# Altium PCB EPS.PcbDoc (part 1 of 10) (continued)
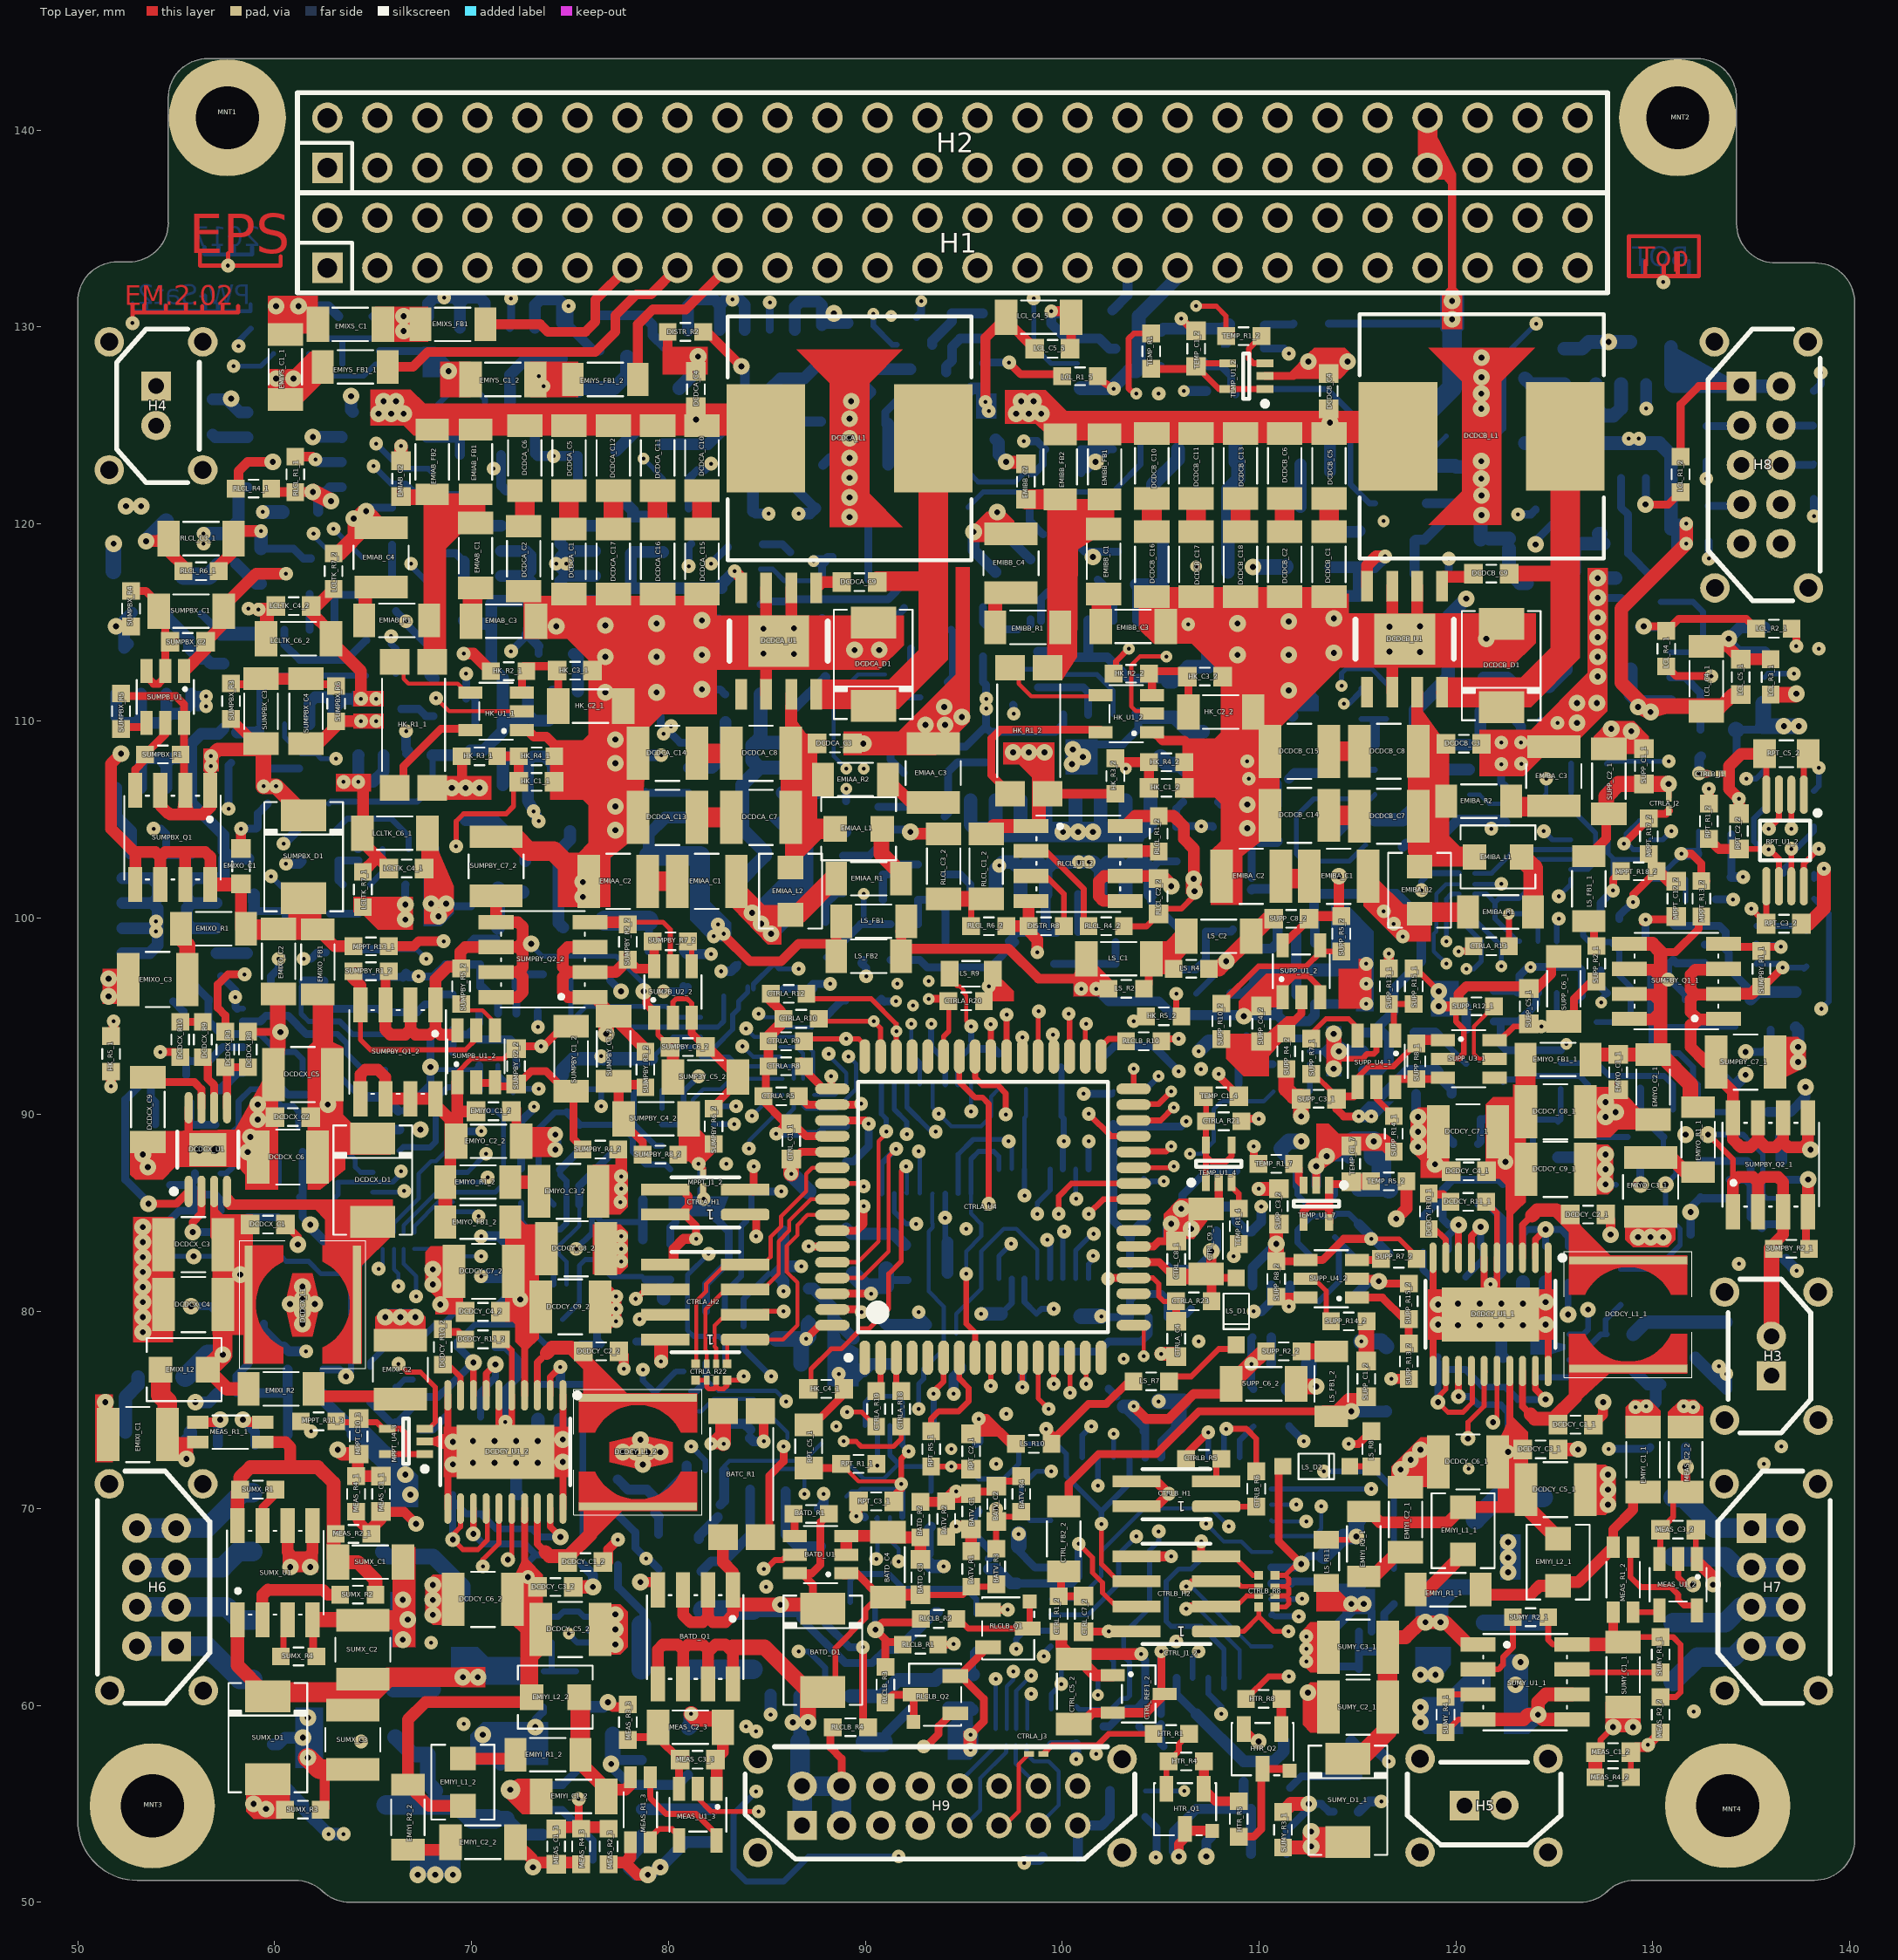
[diagram p0: Top Layer view]
## Design rules (kind name [scope] priority, off if disabled: settings) (continued)
24 further rules are at their usual default settings.

## Classes and differential pairs
channel class EPS_MPPT_Y_OR_Solar: "MPPT Y+1_MPPTY Solar Panels ORing1" "MPPT Y-2_MPPTY Solar Panels ORing2"
channel class EPS_MPPT_Y_OR_MPB: "MPPT Y+1_MPPTY ORing to MPB1" "MPPT Y-2_MPPTY ORing to MPB2"
channel class EPS_MPPT_Y_EMI-Filter_Solar-Panels: "MPPT Y+1_MPPTY EMI Filters for Solar Panels1" "MPPT Y-2_MPPTY EMI Filters for Solar Panels2"
channel class EPS_MPPT_Y_EMI-Filter_Out: "MPPT Y+1_MPPTY Output EMI Filter1" "MPPT Y-2_MPPTY Output EMI Filter2"
channel class EPS_MPPT_Y_EMI-Filter_In: "MPPT Y+1_MPPTY Input EMI Filter1" "MPPT Y-2_MPPTY Input EMI Filter2"
channel class EPS_MPPT_Y_Buck-Boost-Converter: "MPPT Y+1_MPPTY Buck-Boost Converter1" "MPPT Y-2_MPPTY Buck-Boost Converter2"
channel class EPS_MPPT_Y: "MPPT Y+" "MPPT Y-"
channel class EPS_MPPT_XY_Measurements: "MPPT Y+1_MPPTY Measurements2" "MPPT Y-2_MPPTY Measurements3" "MPPTX Measurements"
channel class EPS_MPPT_XY_Interface: "MPPT Y+1_MPPTY Interface to uC2" "MPPT Y-2_MPPTY Interface to uC3" "MPPTX Interface to uC"
channel class EPS_Local-Supply_Channel: "Local-Supply CTRL-A" "Local-Supply CTRL-B"
channel class EPS_I2C-Repeater: "I2C Repeater1" "I2C Repeater2"
channel class EPS_Distribution_RLCL-FPF: "RLCL-FPF 3V3" "RLCL-FPF 5V" "RLCL-FPF VBAT"
channel class EPS_Distribution_Measurements: "3V3 Measurements" "5V Measurements" "VBAT Measurements"
channel class EPS_Distribution_LCL-TK: "LCL-TK MAIN" "LCL-TK Redundant"
channel class EPS_Distribution_LCL-FPF: "LCL-FPF ANTs 5V2" "LCL-FPF CAMnadir 3V3" "LCL-FPF CAMwing 3V3" "LCL-FPF SENS 5V" "LCL-FPF SunS 3V3"
channel class EPS_DCDC_RLCL-FPF: "DCDC RLCL" "RLCL-FPF N1" "RLCL-FPF N2" "VBAT RLCL"
component class "VBAT Measurements": HK_C1_3 HK_C2_3 HK_C3_3 HK_C4_3 HK_R1_3 HK_R2_3 HK_R3_3 HK_R4_3 HK_R5_3 HK_U1_3
component class "VBAT EMI Filter R": EMIVBAT_C1 EMIVBAT_C2 EMIVBAT_C3 EMIVBAT_C4 EMIVBAT_C5 EMIVBAT_FB1 EMIVBAT_FB2 EMIVBAT_R1
component class "DCDC RLCL": DRLCL_C1_1 DRLCL_C2_1 DRLCL_C3_1 DRLCL_C4_1 DRLCL_C5_1 DRLCL_R2_1 DRLCL_R3_1 DRLCL_R4_1 DRLCL_R5_1 DRLCL_R6_1 DRLCL_U1_1
component class "VBAT RLCL": DRLCL_C1_2 DRLCL_C2_2 DRLCL_C3_2 DRLCL_C4_2 DRLCL_C5_2 DRLCL_R2_2 DRLCL_R3_2 DRLCL_R4_2 DRLCL_R5_2 DRLCL_R6_2 DRLCL_U1_2
component class "RLCL-FPF 5V": RLCL_C1_2 RLCL_C2_2 RLCL_C3_2 RLCL_R1_2 RLCL_R4_2 RLCL_R6_2 RLCL_U1_2
component class "RLCL-FPF 3V3": RLCL_C1_1 RLCL_C2_1 RLCL_C3_1 RLCL_R1_1 RLCL_R4_1 RLCL_R6_1 RLCL_U1_1
component class "RBL & Inrush Limit": RBL_C1 RBL_C2 RBL_C3 RBL_C4 RBL_Q1 RBL_Q2 RBL_Q3 RBL_Q4 RBL_R1 RBL_R2 RBL_R3 RBL_R4 RBL_R5 RBL_R6 RBL_R7 RBL_R8 RBL_R9 RBL_R10
component class "MPPT Y-2_MPPTY Solar Panels ORing2": SUMY_C1_2 SUMY_C2_2 SUMY_C3_2 SUMY_D1_2 SUMY_R1_2 SUMY_R2_2 SUMY_R3_2 SUMY_R4_2 SUMY_U1_2
component class "MPPT Y+1_MPPTY Solar Panels ORing1": SUMY_C1_1 SUMY_C2_1 SUMY_C3_1 SUMY_D1_1 SUMY_R1_1 SUMY_R2_1 SUMY_R3_1 SUMY_R4_1 SUMY_U1_1
component class "MPPT Y-2_MPPTY Output EMI Filter2": EMIYO_C1_2 EMIYO_C2_2 EMIYO_C3_2 EMIYO_FB1_2 EMIYO_R1_2
component class "MPPT Y+1_MPPTY Output EMI Filter1": EMIYO_C1_1 EMIYO_C2_1 EMIYO_C3_1 EMIYO_FB1_1 EMIYO_R1_1
component class "MPPT Y-2_MPPTY ORing to MPB2": SUMPB_U1_2 SUMPB_U2_2 SUMPBY_C1_2 SUMPBY_C2_2 SUMPBY_C3_2 SUMPBY_C4_2 SUMPBY_C5_2 SUMPBY_C6_2 SUMPBY_C7_2 SUMPBY_Q1_2 SUMPBY_Q2_2 SUMPBY_R1_2 SUMPBY_R2_2 SUMPBY_R3_2 SUMPBY_R4_2 SUMPBY_R5_2 SUMPBY_R6_2 SUMPBY_R7_2 SUMPBY_R8_2
component class "MPPT Y+1_MPPTY ORing to MPB1": SUMPB_U1_1 SUMPB_U2_1 SUMPBY_C1_1 SUMPBY_C2_1 SUMPBY_C3_1 SUMPBY_C4_1 SUMPBY_C5_1 SUMPBY_C6_1 SUMPBY_C7_1 SUMPBY_Q1_1 SUMPBY_Q2_1 SUMPBY_R1_1 SUMPBY_R2_1 SUMPBY_R3_1 SUMPBY_R4_1 SUMPBY_R5_1 SUMPBY_R6_1 SUMPBY_R7_1 SUMPBY_R8_1
component class "MPPT Y-2_MPPTY Measurements3": MEAS_C1_3 MEAS_C2_3 MEAS_C3_3 MEAS_R1_3 MEAS_R2_3 MEAS_R3_3 MEAS_R4_3 MEAS_U1_3
component class "MPPT Y+1_MPPTY Measurements2": MEAS_C1_2 MEAS_C2_2 MEAS_C3_2 MEAS_R1_2 MEAS_R2_2 MEAS_R3_2 MEAS_R4_2 MEAS_U1_2
component class "MPPT Y-2_MPPTY Interface to uC3": MPPT_C1_3 MPPT_C2_3 MPPT_C3_3 MPPT_C4_3 MPPT_C5_3 MPPT_C6_3 MPPT_C7_3 MPPT_C8_3 MPPT_C9_3 MPPT_C10_3 MPPT_C11_3 MPPT_C12_3 MPPT_J1_3 MPPT_R1_3 MPPT_R2_3 MPPT_R3_3 MPPT_R4_3 MPPT_R5_3 MPPT_R6_3 MPPT_R7_3 MPPT_R8_3 MPPT_R9_3 MPPT_R10_3 MPPT_R11_3 MPPT_R12_3 MPPT_R13_3 MPPT_R14_3 MPPT_R15_3 MPPT_R16_3 MPPT_R17_3 MPPT_R18_3 MPPT_U1_3 MPPT_U2_3 MPPT_U3_3 MPPT_U4_3 MPPT_U5_3
component class "MPPT Y+1_MPPTY Interface to uC2": MPPT_C1_2 MPPT_C2_2 MPPT_C3_2 MPPT_C4_2 MPPT_C5_2 MPPT_C6_2 MPPT_C7_2 MPPT_C8_2 MPPT_C9_2 MPPT_C10_2 MPPT_C11_2 MPPT_C12_2 MPPT_J1_2 MPPT_R1_2 MPPT_R2_2 MPPT_R3_2 MPPT_R4_2 MPPT_R5_2 MPPT_R6_2 MPPT_R7_2 MPPT_R8_2 MPPT_R9_2 MPPT_R10_2 MPPT_R11_2 MPPT_R12_2 MPPT_R13_2 MPPT_R14_2 MPPT_R15_2 MPPT_R16_2 MPPT_R17_2 MPPT_R18_2 MPPT_U1_2 MPPT_U2_2 MPPT_U3_2 MPPT_U4_2 MPPT_U5_2
component class "MPPT Y-2_MPPTY Input EMI Filter2": EMIYI_C1_2 EMIYI_C2_2 EMIYI_L1_2 EMIYI_L2_2 EMIYI_R1_2 EMIYI_R2_2
component class "MPPT Y+1_MPPTY Input EMI Filter1": EMIYI_C1_1 EMIYI_C2_1 EMIYI_L1_1 EMIYI_L2_1 EMIYI_R1_1 EMIYI_R2_1
component class "MPPT Y-2_MPPTY EMI Filters for Solar Panels2": EMIYS_C1_2 EMIYS_C2_2 EMIYS_FB1_2 EMIYS_FB2_2 EMIYS_T1_2
component class "MPPT Y+1_MPPTY EMI Filters for Solar Panels1": EMIYS_C1_1 EMIYS_C2_1 EMIYS_FB1_1 EMIYS_FB2_1 EMIYS_T1_1
component class "MPPT Y-2_MPPTY Buck-Boost Converter2": "DCDCX_C?_MPPTY Buck-Boost Converter2" DCDCY_C1_2 DCDCY_C2_2 DCDCY_C3_2 DCDCY_C4_2 DCDCY_C5_2 DCDCY_C6_2 DCDCY_C7_2 DCDCY_C8_2 DCDCY_C9_2 DCDCY_C10_2 DCDCY_C11_2 DCDCY_C12_2 DCDCY_C13_2 DCDCY_C14_2 DCDCY_L1_2 DCDCY_R1_2 DCDCY_R2_2 DCDCY_R3_2 DCDCY_R4_2 DCDCY_R5_2 DCDCY_R6_2 DCDCY_R7_2 DCDCY_R8_2 DCDCY_R9_2 DCDCY_R10_2 DCDCY_R11_2 "DCDCY_R?_MPPTY Buck-Boost Converter2" DCDCY_U1_2
component class "MPPT Y+1_MPPTY Buck-Boost Converter1": "DCDCX_C?_MPPTY Buck-Boost Converter1" DCDCY_C1_1 DCDCY_C2_1 DCDCY_C3_1 DCDCY_C4_1 DCDCY_C5_1 DCDCY_C6_1 DCDCY_C7_1 DCDCY_C8_1 DCDCY_C9_1 DCDCY_C10_1 DCDCY_C11_1 DCDCY_C12_1 DCDCY_C13_1 DCDCY_C14_1 DCDCY_L1_1 DCDCY_R1_1 DCDCY_R2_1 DCDCY_R3_1 DCDCY_R4_1 DCDCY_R5_1 DCDCY_R6_1 DCDCY_R7_1 DCDCY_R8_1 DCDCY_R9_1 DCDCY_R10_1 DCDCY_R11_1 "DCDCY_R?_MPPTY Buck-Boost Converter1" DCDCY_U1_1
component class "MPPTX Solar Panels ORing": SUMX_C1 SUMX_C2 SUMX_C3 SUMX_D1 SUMX_R1 SUMX_R2 SUMX_R3 SUMX_R4 SUMX_U1
component class "MPPTX Output EMI Filter": EMIXO_C1 EMIXO_C2 EMIXO_C3 EMIXO_FB1 EMIXO_R1
component class "MPPTX ORing to MPB": SUMPB_U1 SUMPBX_C1 SUMPBX_C2 SUMPBX_C3 SUMPBX_C4 SUMPBX_D1 SUMPBX_Q1 SUMPBX_R1 SUMPBX_R3 SUMPBX_R4 SUMPBX_R5 SUMPBX_R6
component class "MPPTX Measurements": MEAS_C1_1 MEAS_C2_1 MEAS_C3_1 MEAS_R1_1 MEAS_R2_1 MEAS_R3_1 MEAS_R4_1 MEAS_U1_1
component class "MPPTX Interface to uC": MPPT_C1_1 MPPT_C2_1 MPPT_C3_1 MPPT_C4_1 MPPT_C5_1 MPPT_C6_1 MPPT_C7_1 MPPT_C8_1 MPPT_C9_1 MPPT_C10_1 MPPT_C11_1 MPPT_C12_1 MPPT_J1_1 MPPT_R1_1 MPPT_R2_1 MPPT_R3_1 MPPT_R4_1 MPPT_R5_1 MPPT_R6_1 MPPT_R7_1 MPPT_R8_1 MPPT_R9_1 MPPT_R10_1 MPPT_R11_1 MPPT_R12_1 MPPT_R13_1 MPPT_R14_1 MPPT_R15_1 MPPT_R16_1 MPPT_R17_1 MPPT_R18_1 MPPT_U1_1 MPPT_U2_1 MPPT_U3_1 MPPT_U4_1 MPPT_U5_1
component class "MPPTX Input EMI Filter": EMIXI_C1 EMIXI_C2 EMIXI_L1 EMIXI_L2 EMIXI_R1 EMIXI_R2
component class "MPPTX EMI Filters for Solar Panels": EMIXS_C1 EMIXS_C2 EMIXS_C3 EMIXS_FB1 EMIXS_FB2 EMIXS_FB3 EMIXS_T1 EMIXS_T2
component class "MPPTX Boost Converter": DCDCX_C1 DCDCX_C2 DCDCX_C3 DCDCX_C4 DCDCX_C5 DCDCX_C6 DCDCX_C7 DCDCX_C8 DCDCX_C9 DCDCX_D1 DCDCX_L1 DCDCX_R1 DCDCX_R2 DCDCX_R3 DCDCX_R5 DCDCX_R6 DCDCX_R7 DCDCX_R8 DCDCX_R9 DCDCX_R10 DCDCX_R11 DCDCX_U1
component class "Local-Supply CTRL-B": LS_FB1_2 SUPP_C1_2 SUPP_C2_2 SUPP_C3_2 SUPP_C4_2 SUPP_C5_2 SUPP_C6_2 SUPP_C7_2 SUPP_C8_2 SUPP_C9_2 SUPP_C10_2 SUPP_R2_2 SUPP_R4_2 SUPP_R5_2 SUPP_R6_2 SUPP_R7_2 SUPP_R8_2 SUPP_R10_2 SUPP_R11_2 SUPP_R12_2 SUPP_R13_2 SUPP_R14_2 SUPP_R15_2 SUPP_U1_2 SUPP_U2_2 SUPP_U3_2 SUPP_U4_2 TEMP_R5_2
component class "Local-Supply CTRL-A": LS_FB1_1 SUPP_C1_1 SUPP_C2_1 SUPP_C3_1 SUPP_C4_1 SUPP_C5_1 SUPP_C6_1 SUPP_C7_1 SUPP_C8_1 SUPP_C9_1 SUPP_C10_1 SUPP_R2_1 SUPP_R4_1 SUPP_R5_1 SUPP_R6_1 SUPP_R7_1 SUPP_R8_1 SUPP_R10_1 SUPP_R11_1 SUPP_R12_1 SUPP_R13_1 SUPP_R14_1 SUPP_R15_1 SUPP_U1_1 SUPP_U2_1 SUPP_U3_1 SUPP_U4_1 TEMP_R5_1
component class "Local-Supply and WDTs": LS_C1 LS_C2 LS_D1 LS_D2 LS_FB1 LS_FB2 LS_R2 LS_R4 LS_R7 LS_R8 LS_R9 LS_R10 LS_R11
component class "LCLs for DCDC": SEL_C1 SEL_C2 SEL_C3 SEL_C4 SEL_C5 SEL_C6 SEL_C7 SEL_D1 SEL_D2 SEL_D3 SEL_D4 SEL_D5 SEL_D6 SEL_Q1 SEL_Q2 SEL_Q? SEL_R1 SEL_R2 SEL_R3 SEL_R4 SEL_R5 SEL_R6 SEL_R7 SEL_R8 SEL_R9 SEL_R10 SEL_R11 SEL_R? SEL_U1 SEL_U2
component class "LCL-TK Redundant": LCLTK_C1_2 LCLTK_C2_2 LCLTK_C3_2 LCLTK_C4_2 LCLTK_C5_2 LCLTK_C6_2 LCLTK_Q1_2 LCLTK_Q2_2 LCLTK_Q3_2 LCLTK_Q4_2 LCLTK_R1_2 LCLTK_R2_2 LCLTK_R3_2 LCLTK_R4_2 LCLTK_R5_2 LCLTK_R6_2 LCLTK_R7_2 LCLTK_R8_2 LCLTK_R9_2 LCLTK_R10_2 LCLTK_R11_2 LCLTK_R12_2 LCLTK_R13_2 LCLTK_R14_2 LCLTK_R15_2 LCLTK_R16_2 LCLTK_U1_2
component class "LCL-TK MAIN": LCLTK_C1_1 LCLTK_C2_1 LCLTK_C3_1 LCLTK_C4_1 LCLTK_C5_1 LCLTK_C6_1 LCLTK_Q1_1 LCLTK_Q2_1 LCLTK_Q3_1 LCLTK_Q4_1 LCLTK_R1_1 LCLTK_R2_1 LCLTK_R3_1 LCLTK_R4_1 LCLTK_R5_1 LCLTK_R6_1 LCLTK_R7_1 LCLTK_R8_1 LCLTK_R9_1 LCLTK_R10_1 LCLTK_R11_1 LCLTK_R12_1 LCLTK_R13_1 LCLTK_R14_1 LCLTK_R15_1 LCLTK_R16_1 LCLTK_U1_1
component class "LCL-FPF SunS 3V3": LCL_C1_6 LCL_C2_6 LCL_C3_6 LCL_C4_6 LCL_C5_6 LCL_R1_6 LCL_R2_6 LCL_R3_6 LCL_R4_6 LCL_R5_6 LCL_U1_6
component class "LCL-FPF SENS 5V": LCL_C1_5 LCL_C2_5 LCL_C3_5 LCL_C4_5 LCL_C5_5 LCL_R1_5 LCL_R2_5 LCL_R3_5 LCL_R4_5 LCL_R5_5 LCL_U1_5
component class "LCL-FPF CAMwing 3V3": LCL_C1_4 LCL_C2_4 LCL_C3_4 LCL_C4_4 LCL_C5_4 LCL_R1_4 LCL_R2_4 LCL_R3_4 LCL_R4_4 LCL_R5_4 LCL_U1_4
component class "LCL-FPF CAMnadir 3V3": LCL_C1_3 LCL_C2_3 LCL_C3_3 LCL_C4_3 LCL_C5_3 LCL_R1_3 LCL_R2_3 LCL_R3_3 LCL_R4_3 LCL_R5_3 LCL_U1_3
component class "LCL-FPF ANTs 5V2": LCL_C1_2 LCL_C2_2 LCL_C3_2 LCL_C4_2 LCL_C5_2 LCL_R1_2 LCL_R2_2 LCL_R3_2 LCL_R4_2 LCL_R5_2 LCL_U1_2
component class "I2C Repeater2": RPT_C1_2 RPT_C2_2 RPT_C3_2 RPT_C5_2 RPT_R1_2 RPT_R2_2 RPT_R3_2 RPT_R4_2 RPT_R5_2 RPT_R6_2 RPT_U1_2
component class "I2C Repeater1": RPT_C1_1 RPT_C2_1 RPT_C3_1 RPT_C5_1 RPT_R1_1 RPT_R2_1 RPT_R3_1 RPT_R4_1 RPT_R5_1 RPT_R6_1 RPT_U1_1
component class "Heaters Control": HTR_Q1 HTR_Q2 HTR_Q3 HTR_R1 HTR_R2 HTR_R3 HTR_R4 HTR_R5 HTR_R6 HTR_R7 HTR_R8
component class Distribution: DISTR_R1 DISTR_R2 DISTR_R3 DISTR_R4 DISTR_R5 DISTR_R6 DISTR_R7 DISTR_R8
component class "Controller B": CTRLB_C1 CTRLB_C2 CTRLB_C3 CTRLB_C4 CTRLB_C5 CTRLB_H1 CTRLB_H2 CTRLB_J1 CTRLB_R1 CTRLB_R2 CTRLB_R3 CTRLB_R4 CTRLB_R5 CTRLB_R6 CTRLB_R7 CTRLB_R8 CTRLB_R9 CTRLB_R10 CTRLB_R11 CTRLB_R? CTRLB_U1
component class "Controller A": CTRLA_C1 CTRLA_C2 CTRLA_C3 CTRLA_C4 CTRLA_C5 CTRLA_C? CTRLA_FB? CTRLA_H1 CTRLA_H2 CTRLA_J1 CTRLA_J2 CTRLA_J3 CTRLA_J4 CTRLA_R1 CTRLA_R2 CTRLA_R3 CTRLA_R4 CTRLA_R5 CTRLA_R6 CTRLA_R7 CTRLA_R8 CTRLA_R9 CTRLA_R10 CTRLA_R11 CTRLA_R12 CTRLA_R13 CTRLA_R14 CTRLA_R15 CTRLA_R16 CTRLA_R17 CTRLA_R18 CTRLA_R19 CTRLA_R20 CTRLA_R21 CTRLA_R22 CTRLA_R23 CTRLA_R24 CTRLA_R25 CTRLA_R? CTRLA_U1 CTRLA_U2 CTRLA_U3 CTRLA_U4 CTRLA_U?
component class "Battery Voltage Meas.": BATV_C1 BATV_C2 BATV_R1 BATV_R2 BATV_R3 BATV_R4
component class "Battery Discharger - Ideal Diode": BATD_C3 BATD_C4 BATD_D1 BATD_Q1 BATD_R1 BATD_R2 BATD_U1
component class "Battery Current Meas.": BATC_C1 BATC_C2 BATC_C3 BATC_C4 BATC_R1 BATC_R2 BATC_R3 BATC_R4 BATC_R5 BATC_U1 BATC_U2
component class "Battery Charger - RLCL": RLCLB_C1 RLCLB_C2 RLCLB_C3 RLCLB_C4 RLCLB_C5 RLCLB_C6 RLCLB_C7 RLCLB_C8 RLCLB_Q1 RLCLB_Q2 RLCLB_R1 RLCLB_R2 RLCLB_R3 RLCLB_R4 RLCLB_R6 RLCLB_R8 RLCLB_R9 RLCLB_R10 RLCLB_R11 RLCLB_R12 RLCLB_R13 RLCLB_U1
component class "5V Output EMI Fitler": EMIBB_C1 EMIBB_C2 EMIBB_C3 EMIBB_C4 EMIBB_FB1 EMIBB_FB2 EMIBB_R1
component class "5V Measurements": HK_C1_2 HK_C2_2 HK_C3_2 HK_C4_2 HK_R1_2 HK_R2_2 HK_R3_2 HK_R4_2 HK_R5_2 HK_U1_2
component class "5V Input EMI Fitler": EMIBA_C1 EMIBA_C2 EMIBA_C3 EMIBA_L1 EMIBA_L2 EMIBA_R1 EMIBA_R2
component class "5V Buck Converter": DCDCB_C1 DCDCB_C2 DCDCB_C3 DCDCB_C4 DCDCB_C5 DCDCB_C6 DCDCB_C7 DCDCB_C8 DCDCB_C9 DCDCB_C10 DCDCB_C11 DCDCB_C13 DCDCB_C14 DCDCB_C15 DCDCB_C16 DCDCB_C17 DCDCB_C18 DCDCB_C19 DCDCB_C20 DCDCB_C21 DCDCB_C? DCDCB_D1 DCDCB_L1 DCDCB_R1 DCDCB_R2 DCDCB_R3 DCDCB_R4 DCDCB_R5 DCDCB_R? DCDCB_U1
component class "3V3 Output EMI Fitler": EMIAB_C1 EMIAB_C2 EMIAB_C3 EMIAB_C4 EMIAB_FB1 EMIAB_FB2 EMIAB_R1
component class "3V3 Measurements": HK_C1_1 HK_C2_1 HK_C3_1 HK_C4_1 HK_R1_1 HK_R2_1 HK_R3_1 HK_R4_1 HK_R5_1 HK_U1_1
component class "3V3 Input EMI Fitler": EMIAA_C1 EMIAA_C2 EMIAA_C3 EMIAA_L1 EMIAA_L2 EMIAA_R1 EMIAA_R2
component class "3V3 Buck Converter": DCDCA_C1 DCDCA_C2 DCDCA_C3 DCDCA_C4 DCDCA_C5 DCDCA_C6 DCDCA_C7 DCDCA_C8 DCDCA_C9 DCDCA_C10 DCDCA_C11 DCDCA_C12 DCDCA_C13 DCDCA_C14 DCDCA_C15 DCDCA_C16 DCDCA_C17 DCDCA_C18 DCDCA_C19 DCDCA_C20 DCDCA_C? DCDCA_D1 DCDCA_L1 DCDCA_R1 DCDCA_R2 DCDCA_R3 DCDCA_R4 DCDCA_R5 DCDCA_R? DCDCA_U1
component class EPS_Connectors: CONN_H? H3 H4 H5 H6 H7 H8 H9 H? MNT1 MNT2 MNT3 MNT4
component class "PC-104 Stack Connector": H1 H2
component class CTRL-A_Supply: CTRL_C1_1 CTRL_C2_1 CTRL_C3_1 CTRL_C4_1 CTRL_C5_1 CTRL_C6_1 CTRL_C7_1 CTRL_C8_1 CTRL_C9_1 CTRL_FB1_1 CTRL_FB2_1 CTRL_J1_1 CTRL_R1_1 CTRL_REF1_1
component class 3V3: TEMP_R4
component class 5V: TEMP_R1
component class "Battery Pack": TEMP_R2
component class CTRL-B_Supply: CTRL_C1_2 CTRL_C2_2 CTRL_C3_2 CTRL_C4_2 CTRL_C5_2 CTRL_C6_2 CTRL_C7_2 CTRL_C8_2 CTRL_C9_2 CTRL_FB1_2 CTRL_FB2_2 CTRL_J1_2 CTRL_R1_2 CTRL_REF1_2
component class "LCL-FPF ANTs 5V1": LCL_C1_1 LCL_C2_1 LCL_C3_1 LCL_C4_1 LCL_C5_1 LCL_R1_1 LCL_R2_1 LCL_R3_1 LCL_R4_1 LCL_R5_1 LCL_U1_1
component class Temperature-Sensor1: TEMP_C1_1 TEMP_R1_1 TEMP_U1_1
component class Temperature-Sensor2: TEMP_C1_2 TEMP_R1_2 TEMP_U1_2
component class Temperature-Sensor3: TEMP_C1_3 TEMP_R1_3 TEMP_U1_3
component class Temperature-Sensor4: TEMP_C1_4 TEMP_R1_4 TEMP_U1_4
component class Temperature-Sensor5: TEMP_C1_5 TEMP_R1_5 TEMP_U1_5
component class "Local-Supply CTRL-A1_Temperature-Sensor6": TEMP_C1_6 TEMP_R1_6 TEMP_U1_6
component class "Local-Supply CTRL-B2_Temperature-Sensor7": TEMP_C1_7 TEMP_R1_7 TEMP_U1_7
channel class EPS_CTRL_AB_Supply: CTRL-A_Supply CTRL-B_Supply
channel class EPS_Temperature-Sensor: "Local-Supply CTRL-A1_Temperature-Sensor6" "Local-Supply CTRL-B2_Temperature-Sensor7" Temperature-Sensor1 Temperature-Sensor2 Temperature-Sensor3 Temperature-Sensor4 Temperature-Sensor5 Temperature-Sensor8

## Components (designator, comment, footprint, x,y, rotation, side; value= is the part's Value field where it differs from the comment)
BATC_C1 "100n/50V" SMD_Capacitor_0603 85.217,69.596 r180 bottom
BATC_C2 "1u/25V" SMD_Capacitor_1206 84.836,67.691 r180 bottom
BATC_C3 "1u/25V" SMD_Capacitor_1206 81.153,70.104 r0 bottom
BATC_C4 "100n/50V" SMD_Capacitor_0603 80.645,68.453 r0 bottom
BATC_R1 "0.033R/1%" SMD_Resistor-shunt_2512 83.721,71.742 r90 top
BATC_R2 "51R" SMD_Resistor_0603 87.757,68.961 r90 bottom
BATC_R3 "1k/1%" SMD_Resistor_0603 80.772,66.802 r0 bottom
BATC_R4 "1k/1%" SMD_Resistor_0603 77.343,70.485 r90 bottom
BATC_R5 "51R" SMD_Resistor_0603 87.757,72.39 r90 bottom
BATC_U1 "MAX4372F" SOT23-5 85.09,72.263 r90 bottom
BATC_U2 "MAX4372F" SOT23-5 81.877,73.241 r90 bottom
BATD_C3 "100n/50V" SMD_Capacitor_0603 92.799,66.51 r90 top
BATD_C4 "1u/25V" SMD_Capacitor_1206 91.148,67.145 r90 top
BATD_D1 "STPS340U" DO-214AA 87.846,62.827 r270 top
BATD_Q1 "IRF7416" SOIC-8-N_SSSGDDDD 81.369,63.462 r270 top
BATD_R1 "470k/1%" SMD_Resistor_0603 87.249,69.723 r180 top
BATD_R2 "1k/1%" SMD_Resistor_0603 92.799,69.431 r90 top
BATD_U1 "LTC4412" SOT23-6 87.719,67.653 r180 top
BATV_C1 "100n/50V" SMD_Capacitor_0603 95.377,69.85 r90 top
BATV_C2 "100n/50V" SMD_Capacitor_0603 96.647,70.231 r90 top
BATV_R1 "470k/1%" SMD_Resistor_0603 95.377,66.929 r90 top
BATV_R2 "150k/1%" SMD_Resistor_0603 94.107,69.469 r90 top
BATV_R3 "470k/1%" SMD_Resistor_0603 96.647,67.056 r90 top
BATV_R4 "150k/1%" SMD_Resistor_0603 97.917,70.739 r90 top
CTRL_C1_1 "100n/50V" SMD_Capacitor_0603 86.233,88.646 r270 top (schematic designator CTRL_C1)
CTRL_C1_2 "100n/50V" SMD_Capacitor_0603 105.029,74.168 r0 bottom (schematic designator CTRL_C1)
CTRL_C2_1 "2.2u/50V" SMD_Capacitor_1206 87.503,87.503 r270 bottom (schematic designator CTRL_C2)
CTRL_C2_2 "2.2u/50V" SMD_Capacitor_1206 104.394,75.692 r0 bottom (schematic designator CTRL_C2)
CTRL_C3_1 "10u/16V" SMD_Capacitor_1206 88.265,76.962 r0 bottom (schematic designator CTRL_C3)
CTRL_C3_2 "10u/16V" SMD_Capacitor_1206 106.807,57.785 r180 bottom (schematic designator CTRL_C3)
CTRL_C4_1 "100n/50V" SMD_Capacitor_0603 87.122,80.264 r90 bottom (schematic designator CTRL_C4)
CTRL_C4_2 "100n/50V" SMD_Capacitor_0603 106.045,59.309 r180 bottom (schematic designator CTRL_C4)
CTRL_C5_1 "10u/16V" SMD_Capacitor_1206 89.408,80.264 r270 bottom (schematic designator CTRL_C5)
CTRL_C5_2 "10u/16V" SMD_Capacitor_1206 100.584,60.706 r270 top (schematic designator CTRL_C5)
CTRL_C6_1 "100n/50V" SMD_Capacitor_0603 91.059,80.264 r270 bottom (schematic designator CTRL_C6)
CTRL_C6_2 "100n/50V" SMD_Capacitor_0603 102.997,58.801 r0 bottom (schematic designator CTRL_C6)
CTRL_C7_1 "100n/50V" SMD_Capacitor_0603 93.218,83.312 r0 bottom (schematic designator CTRL_C7)
CTRL_C7_2 "100n/50V" SMD_Capacitor_0603 101.092,64.643 r270 top (schematic designator CTRL_C7)
CTRL_C8_1 "100n/50V" SMD_Capacitor_0603 105.791,82.677 r90 top (schematic designator CTRL_C8)
CTRL_C8_2 "100n/50V" SMD_Capacitor_0603 113.411,66.675 r270 bottom (schematic designator CTRL_C8)
CTRL_C9_1 "2.2u/50V" SMD_Capacitor_1206 107.315,83.566 r90 top (schematic designator CTRL_C9)
CTRL_C9_2 "2.2u/50V" SMD_Capacitor_1206 115.062,67.818 r270 bottom (schematic designator CTRL_C9)
CTRL_FB1_1 "120R/100MHz" SMD_FerriteBead_1206 85.471,80.391 r270 bottom (schematic designator CTRL_FB1)
CTRL_FB1_2 "120R/100MHz" SMD_FerriteBead_1206 113.03,58.166 r180 bottom (schematic designator CTRL_FB1)
CTRL_FB2_1 "120R/100MHz" SMD_FerriteBead_1206 87.376,83.693 r0 bottom (schematic designator CTRL_FB2)
CTRL_FB2_2 "120R/100MHz" SMD_FerriteBead_1206 100.076,68.453 r270 top (schematic designator CTRL_FB2)
CTRL_J1_1 "2 way net tie junction" 2way_LP 94.615,84.455 r145 bottom net-tie (schematic designator CTRL_J1)
CTRL_J1_2 "2 way net tie junction" 2way_LP 105.41,62.992 r220 top net-tie (schematic designator CTRL_J1)
CTRL_R1_1 "4.7k/1%" SMD_Resistor_0603 91.059,83.058 r90 bottom (schematic designator CTRL_R1)
CTRL_R1_2 "4.7k/1%" SMD_Resistor_0603 99.822,64.643 r90 top (schematic designator CTRL_R1)
CTRL_REF1_1 "LM4040-3V 1%" SOT23-3 93.218,80.645 r270 bottom (schematic designator CTRL_REF1)
CTRL_REF1_2 "LM4040-3V 1%" SOT23-3 103.886,60.579 r0 top (schematic designator CTRL_REF1)
CTRLA_C1 "100n/50V" SMD_Capacitor_0603 94.488,93.472 r0 bottom
CTRLA_C2 "100n/50V" SMD_Capacitor_0603 99.06,89.916 r180 bottom
CTRLA_C3 "100n/50V" SMD_Capacitor_0603 97.79,79.883 r180 bottom
CTRLA_C4 "10n/50V" SMD_Capacitor_0603 105.791,78.613 r270 top
CTRLA_C5 "100n/50V" SMD_Capacitor_0603 106.553,81.026 r270 bottom
CTRLA_H1 "CTRLA_UART" Connfly_DS1031-04-2 83.895,84.925 r90 top
CTRLA_H2 "CTRLA_JTAG" Connfly_DS1031-08-2 83.895,78.575 r90 top
CTRLA_J1 "2 way net tie junction" 2way_LP 63.881,79.502 r270 bottom net-tie
CTRLA_J2 "2 way net tie junction" 2way_LP 130.81,105.791 r90 top net-tie
CTRLA_J3 "2 way net tie junction" 2way_LP 98.679,57.531 r0 top net-tie
CTRLA_J4 "2 way net tie junction" 2way_LP 83.82,78.994 r90 bottom net-tie
CTRLA_R1 "4x51R" SMD_RESISTOR_ARRAY_YC124 65.481,83.185 r0 bottom
CTRLA_R2 "330k" SMD_Resistor_0603 89.027,88.392 r270 bottom
CTRLA_R3 "51R" SMD_Resistor_0603 98.806,77.851 r0 bottom
CTRLA_R4 "33R" SMD_Resistor_0603 102.616,90.297 r90 bottom
CTRLA_R5 "330k" SMD_Resistor_0603 85.725,90.932 r0 top
CTRLA_R6 "2.2k" SMD_Resistor_0603 100.965,78.867 r270 bottom
CTRLA_R7 "2.2k" SMD_Resistor_0603 104.394,83.693 r180 bottom
CTRLA_R8 "330k" SMD_Resistor_0603 85.979,92.456 r0 top
CTRLA_R9 "330k" SMD_Resistor_0603 85.979,93.726 r0 top
CTRLA_R10 "330k" SMD_Resistor_0603 86.741,94.869 r0 top
CTRLA_R11 "4x51R" SMD_RESISTOR_ARRAY_YC124 120.142,102.26 r270 bottom
CTRLA_R12 "330k" SMD_Resistor_0603 86.106,96.139 r0 top
CTRLA_R13 "33R" SMD_Resistor_0603 121.793,98.552 r0 top
CTRLA_R14 "10k/1%" SMD_Resistor_0603 100.965,92.71 r0 bottom
CTRLA_R15 "10k/1%" SMD_Resistor_0603 99.06,91.186 r0 bottom
CTRLA_R16 "4x51R" SMD_RESISTOR_ARRAY_YC124 98.222,58.801 r180 bottom
CTRLA_R17 "33R" SMD_Resistor_0603 104.267,85.852 r90 bottom
CTRLA_R18 "220R/1%" SMD_Resistor_0603 91.821,75.057 r270 top
CTRLA_R19 "220R/1%" SMD_Resistor_0603 90.551,75.057 r270 top
CTRLA_R20 "330k" SMD_Resistor_0603 95.123,95.758 r180 top
CTRLA_R21 "100R/1%" SMD_Resistor_0603 108.204,89.662 r0 top
CTRLA_R22 "4x10k" SMD_RESISTOR_ARRAY_YC124 81.382,77.343 r0 top
CTRLA_R23 "4.7k/1%" SMD_Resistor_0603 106.68,80.518 r0 top
CTRLA_R24 "4x51R" SMD_RESISTOR_ARRAY_YC124 85.801,90.995 r0 bottom
CTRLA_R25 "33R" SMD_Resistor_0603 104.013,90.297 r90 bottom
CTRLA_U1 "NC7SZ14" SOT23-5 104.394,81.026 r90 bottom
CTRLA_U2 "ADG709" TSSOP16 93.091,88.773 r180 bottom
CTRLA_U3 "ADG709" TSSOP16 99.06,84.455 r0 bottom
CTRLA_U4 "revD, Jun-2011" 64A_N 95.974,85.306 r90 top value=ATmega325PA-AU
CTRLB_C1 "100n/50V" SMD_Capacitor_0603 107.569,86.233 r90 bottom
CTRLB_C2 "10n/50V" SMD_Capacitor_0603 96.647,73.279 r180 bottom
CTRLB_C3 "100n/50V" SMD_Capacitor_0603 97.79,66.929 r90 bottom
CTRLB_C4 "2.2u/50V" SMD_Capacitor_1206 94.615,67.437 r180 bottom
CTRLB_C5 "100n/50V" SMD_Capacitor_0603 99.898,52.299 r180 bottom
CTRLB_H1 "CTRLB_UART" Connfly_DS1031-04-2 107.823,70.105 r90 top locked
CTRLB_H2 "CTRLB_JTAG" Connfly_DS1031-08-2 107.823,63.755 r90 top locked
CTRLB_J1 "2 way net tie junction" 2way_LP 133.096,107.315 r0 top net-tie
CTRLB_R1 "330k" SMD_Resistor_0603 99.441,58.928 r90 bottom
CTRLB_R2 "330k" SMD_Resistor_0603 100.584,58.928 r90 bottom
CTRLB_R3 "10k/1%" SMD_Resistor_0603 108.723,84.074 r180 bottom
CTRLB_R4 "10k/1%" SMD_Resistor_0603 108.839,86.233 r270 bottom
CTRLB_R5 "220R/1%" SMD_Resistor_0603 107.188,72.517 r180 top
CTRLB_R6 "220R/1%" SMD_Resistor_0603 109.855,70.993 r90 top
CTRLB_R7 "4.7k/1%" SMD_Resistor_0603 95.504,70.866 r270 bottom
CTRLB_R8 "4x10k" SMD_RESISTOR_ARRAY_YC124 109.982,65 r90 top
CTRLB_R9 "10k/1%" SMD_Resistor_0603 103.327,54.331 r0 bottom
CTRLB_R10 "100R/1%" SMD_Resistor_0603 116.586,59.563 r270 bottom
CTRLB_R11 "1k/1%" SMD_Resistor_0603 103.327,55.651 r0 bottom
CTRLB_U1 "ATMEGA164PV-10AQ" TQFP-44 105.022,67.002 r270 bottom
DCDCA_C1 "10u/16V" SMD_Capacitor_1206 74.95,118.1 r90 top
DCDCA_C2 "10u/16V" SMD_Capacitor_1206 72.644,118.237 r90 top
DCDCA_C3 "100n/50V" SMD_Capacitor_0603 88.45,108.85 r0 top
DCDCA_C4 "100n/50V" SMD_Capacitor_0603 81.4,126.85 r90 top
DCDCA_C5 "10u/16V" SMD_Capacitor_1206 74.95,123.35 r90 top
DCDCA_C6 "10u/16V" SMD_Capacitor_1206 72.7,123.35 r90 top
DCDCA_C7 "10u/25V" SMD_Capacitor_1210 84.7,105.1 r180 top
DCDCA_C8 "10u/25V" SMD_Capacitor_1210 84.7,108.35 r180 top
DCDCA_C9 "Cap" SMD_Capacitor_0603 89.7,117.05 r180 top value=10n/50V
DCDCA_C10 "10u/16V" SMD_Capacitor_1206 81.7,123.35 r270 top
DCDCA_C11 "10u/16V" SMD_Capacitor_1206 79.45,123.35 r270 top
DCDCA_C12 "10u/16V" SMD_Capacitor_1206 77.2,123.35 r270 top
DCDCA_C13 "10u/25V" SMD_Capacitor_1210 79.95,105.1 r180 top
DCDCA_C14 "10u/25V" SMD_Capacitor_1210 79.95,108.35 r180 top
DCDCA_C15 "10u/16V" SMD_Capacitor_1206 81.7,118.1 r270 top
DCDCA_C16 "10u/16V" SMD_Capacitor_1206 79.45,118.1 r270 top
DCDCA_C17 "10u/16V" SMD_Capacitor_1206 77.2,118.1 r270 top
DCDCA_C18 "Cap" SMD_Capacitor_0603 78.194,119.48 r270 bottom value=1n/50V
DCDCA_C19 "150n/50V" SMD_Capacitor_0603 78.1,115.85 r270 bottom
DCDCA_C20 "Cap" SMD_Capacitor_0603 82.7,115.85 r270 bottom value=100p/50V
DCDCA_D1 "STPS340U" DO-214AA 90.4,112.85 r90 top
DCDCA_L1 "27uH/2.1A" Coilcraft_MSS1260 89.2,124.35 r90 top
DCDCA_R1 "10R" SMD_Resistor_0603 77.343,122.809 r90 bottom
DCDCA_R2 "10k/1%" SMD_Resistor_0603 79.718,119.469 r90 bottom
DCDCA_R3 "4.7k/1%" SMD_Resistor_0603 80.6,115.85 r90 bottom
DCDCA_R4 "1k/1%" SMD_Resistor_0603 80.6,112.75 r90 bottom
DCDCA_R5 "240R/1%" SMD_Resistor_0603 78.1,112.75 r90 bottom
DCDCA_U1 "TPS5430DDA" DDA-9 85.6,114.05 r270 top
DCDCB_C1 "10u/16V" SMD_Capacitor_1206 113.55,117.95 r90 top
DCDCB_C2 "10u/16V" SMD_Capacitor_1206 111.3,117.95 r90 top
DCDCB_C3 "100n/50V" SMD_Capacitor_0603 120.396,108.839 r0 top
DCDCB_C4 "100n/50V" SMD_Capacitor_0603 113.538,126.746 r90 top
DCDCB_C5 "10u/16V" SMD_Capacitor_1206 113.55,122.95 r90 top
DCDCB_C6 "10u/16V" SMD_Capacitor_1206 111.3,122.95 r90 top
DCDCB_C7 "10u/25V" SMD_Capacitor_1210 116.586,105.156 r180 top
DCDCB_C8 "10u/25V" SMD_Capacitor_1210 116.586,108.458 r180 top
DCDCB_C9 "Cap" SMD_Capacitor_0603 121.793,117.475 r180 top value=10n/50V
DCDCB_C10 "10u/16V" SMD_Capacitor_1206 104.55,122.95 r270 top
DCDCB_C11 "10u/16V" SMD_Capacitor_1206 106.8,122.95 r270 top
DCDCB_C13 "10u/16V" SMD_Capacitor_1206 109.05,122.95 r270 top
DCDCB_C14 "10u/25V" SMD_Capacitor_1210 112.05,105.2 r180 top
DCDCB_C15 "10u/25V" SMD_Capacitor_1210 112.05,108.45 r180 top
DCDCB_C16 "10u/16V" SMD_Capacitor_1206 104.55,117.95 r270 top
DCDCB_C17 "10u/16V" SMD_Capacitor_1206 106.8,117.95 r270 top
DCDCB_C18 "10u/16V" SMD_Capacitor_1206 109.05,117.95 r270 top
DCDCB_C19 "Cap" SMD_Capacitor_0603 113.627,118.707 r270 bottom value=1n/50V
DCDCB_C20 "150n/50V" SMD_Capacitor_0603 110.2,115.45 r270 bottom
DCDCB_C21 "Cap" SMD_Capacitor_0603 115.05,115.45 r270 bottom value=100p/50V
DCDCB_D1 "STPS340U" DO-214AA 122.301,112.776 r90 top
DCDCB_L1 "27uH/2.1A" Coilcraft_MSS1260 121.3,124.45 r90 top
DCDCB_R1 "10R" SMD_Resistor_0603 113.627,121.755 r90 bottom
DCDCB_R2 "10k/1%" SMD_Resistor_0603 115.05,118.7 r90 bottom
DCDCB_R3 "2.2k/1%" SMD_Resistor_0603 112.6,115.45 r90 bottom
DCDCB_R4 "1k/1%" SMD_Resistor_0603 112.649,112.522 r90 bottom
DCDCB_R5 "240R/1%" SMD_Resistor_0603 110.236,112.522 r90 bottom
DCDCB_U1 "TPS5430DDA" DDA-9 117.395,114.15 r270 top
DCDCX_C1 "100n/50V" SMD_Capacitor_0603 59.652,84.417 r180 top
DCDCX_C2 "100n/50V" SMD_Capacitor_0603 60.922,89.878 r0 top
DCDCX_C3 "10u/25V" SMD_Capacitor_1210 55.866,83.401 r180 top
DCDCX_C4 "10u/25V" SMD_Capacitor_1210 55.866,80.353 r180 top
DCDCX_C5 "10u/25V" SMD_Capacitor_1210 61.43,92.037 r180 top
DCDCX_C6 "10u/25V" SMD_Capacitor_1210 60.668,87.846 r180 top
DCDCX_C7 "Cap" SMD_Capacitor_0603 60.071,85.725 r90 bottom value=1n/25V
DCDCX_C8 "Cap" SMD_Capacitor_0603 58.801,85.725 r90 bottom value=47p/50V
DCDCX_C9 "1u/25V" SMD_Capacitor_1206 53.556,90.259 r270 top
DCDCX_D1 "STPS340UY" DO-214AA 64.986,86.703 r270 top
DCDCX_L1 "4.7uH/2.3A" Coilcraft_MSS6132 61.43,80.353 r270 top
DCDCX_R1 "4.7k/1%" SMD_Resistor_0603 56.985,90.386 r90 bottom
DCDCX_R2 "10R" SMD_Resistor_0603 59.271,92.164 r0 bottom
DCDCX_R3 "10k/1%" SMD_Resistor_0603 57.493,93.307 r270 top
DCDCX_R5 "390k/1%" SMD_Resistor_0603 54.826,89.497 r180 bottom
DCDCX_R6 "68k/1%" SMD_Resistor_0603 54.826,90.64 r180 bottom
DCDCX_R7 "82k/1%" SMD_Resistor_0603 54.483,91.821 r0 bottom
DCDCX_R8 "NC" SMD_Resistor_0603 58.636,93.307 r90 top
DCDCX_R9 "100k/1%" SMD_Resistor_0603 56.35,93.815 r90 top
DCDCX_R10 "75k/1%" SMD_Resistor_0603 55.207,93.815 r270 top
DCDCX_R11 "27k/1%" SMD_Resistor_0603 60.071,88.646 r90 bottom
DCDCX_U1 "Value" LT-MS8E-8-1880X1680TP_N 56.604,88.227 r90 top
DCDCY_C1_1 "100n/50V" SMD_Capacitor_0603 126.073,74.257 r0 top (schematic designator DCDCY_C1)
DCDCY_C1_2 "100n/50V" SMD_Capacitor_0603 75.781,67.272 r0 top (schematic designator DCDCY_C1)
DCDCY_C2_1 "100n/50V" SMD_Capacitor_0603 126.708,84.925 r0 top (schematic designator DCDCY_C2)
DCDCY_C2_2 "100n/50V" SMD_Capacitor_0603 76.581,77.978 r0 top (schematic designator DCDCY_C2)
DCDCY_C3_1 "100n/50V" SMD_Capacitor_0603 124.295,72.998 r180 top (schematic designator DCDCY_C3)
DCDCY_C3_2 "100n/50V" SMD_Capacitor_0603 74.257,66.013 r180 top (schematic designator DCDCY_C3)
DCDCY_C4_1 "100n/50V" SMD_Capacitor_0603 120.65,87.122 r0 top (schematic designator DCDCY_C4)
DCDCY_C4_2 "100n/50V" SMD_Capacitor_0603 70.574,79.983 r0 top (schematic designator DCDCY_C4)
DCDCY_C5_1 "10u/25V" SMD_Capacitor_1210 125.057,70.955 r0 top (schematic designator DCDCY_C5)
DCDCY_C5_2 "10u/25V" SMD_Capacitor_1210 75.019,63.854 r0 top (schematic designator DCDCY_C5)
DCDCY_C6_1 "10u/25V" SMD_Capacitor_1210 120.612,72.363 r180 top (schematic designator DCDCY_C6)
DCDCY_C6_2 "10u/25V" SMD_Capacitor_1210 70.574,65.378 r180 top (schematic designator DCDCY_C6)
DCDCY_C7_1 "10u/25V" SMD_Capacitor_1210 120.612,89.127 r180 top (schematic designator DCDCY_C7)
DCDCY_C7_2 "10u/25V" SMD_Capacitor_1210 70.612,82.042 r180 top (schematic designator DCDCY_C7)
DCDCY_C8_1 "10u/25V" SMD_Capacitor_1210 125.057,90.143 r0 top (schematic designator DCDCY_C8)
DCDCY_C8_2 "10u/25V" SMD_Capacitor_1210 75.311,83.185 r0 top (schematic designator DCDCY_C8)
DCDCY_C9_1 "10u/25V" SMD_Capacitor_1210 125.057,87.222 r0 top (schematic designator DCDCY_C9)
DCDCY_C9_2 "10u/25V" SMD_Capacitor_1210 75.019,80.237 r0 top (schematic designator DCDCY_C9)
DCDCY_C10_1 "Cap" SMD_Capacitor_0603 119.596,81.761 r180 bottom value=2.7n/50V (schematic designator DCDCY_C10)
DCDCY_C10_2 "Cap" SMD_Capacitor_0603 69.558,74.638 r180 bottom value=2.7n/50V (schematic designator DCDCY_C10)
DCDCY_C11_1 "Cap" SMD_Capacitor_0603 120.231,89.751 r180 bottom value=47p/50V (schematic designator DCDCY_C11)
DCDCY_C11_2 "Cap" SMD_Capacitor_0603 67.399,77.686 r270 bottom value=47p/50V (schematic designator DCDCY_C11)
DCDCY_C12_1 "Cap" SMD_Capacitor_0603 120.485,83.158 r180 bottom value=47p/50V (schematic designator DCDCY_C12)
DCDCY_C12_2 "Cap" SMD_Capacitor_0603 69.558,75.908 r180 bottom value=47p/50V (schematic designator DCDCY_C12)
DCDCY_C13_1 "Cap" SMD_Capacitor_0603 123.406,82.396 r270 bottom value=2.7n/50V (schematic designator DCDCY_C13)
DCDCY_C13_2 "Cap" SMD_Capacitor_0603 73.368,75.411 r270 bottom value=2.7n/50V (schematic designator DCDCY_C13)
DCDCY_C14_1 "10u/16V" SMD_Capacitor_1206 120.739,77.697 r0 bottom (schematic designator DCDCY_C14)
DCDCY_C14_2 "10u/16V" SMD_Capacitor_1206 70.612,70.612 r0 bottom (schematic designator DCDCY_C14)
DCDCY_L1_1 "6.8uH/2.1A" Coilcraft_MSS6132 128.74,79.856 r0 top (schematic designator DCDCY_L1)
DCDCY_L1_2 "6.8uH/2.1A" Coilcraft_MSS6132 78.448,72.86 r0 top (schematic designator DCDCY_L1)
DCDCY_R1_1 "10R" SMD_Resistor_0603 122.39,89.497 r90 bottom (schematic designator DCDCY_R1)
DCDCY_R1_2 "10R" SMD_Resistor_0603 70.447,80.48 r180 bottom (schematic designator DCDCY_R1)
DCDCY_R2_1 "47k/1%" SMD_Resistor_0603 125.692,82.396 r90 bottom (schematic designator DCDCY_R2)
DCDCY_R2_2 "47k/1%" SMD_Resistor_0603 75.654,75.411 r90 bottom (schematic designator DCDCY_R2)
DCDCY_R3_1 "1M/1%" SMD_Resistor_0603 121.12,87.603 r270 bottom (schematic designator DCDCY_R3)
DCDCY_R3_2 "1M/1%" SMD_Resistor_0603 64.859,76.289 r270 bottom (schematic designator DCDCY_R3)
DCDCY_R4_1 "18k/1%" SMD_Resistor_0603 118.326,83.92 r90 bottom (schematic designator DCDCY_R4)
DCDCY_R4_2 "18k/1%" SMD_Resistor_0603 67.399,74.638 r90 bottom (schematic designator DCDCY_R4)
DCDCY_R5_1 "22k/1%" SMD_Resistor_0603 119.977,87.592 r270 bottom (schematic designator DCDCY_R5)
DCDCY_R5_2 "22k/1%" SMD_Resistor_0603 66.129,75.273 r270 bottom (schematic designator DCDCY_R5)
DCDCY_R6_1 "15k/1%" SMD_Resistor_0603 124.549,82.396 r270 bottom (schematic designator DCDCY_R6)
DCDCY_R6_2 "15k/1%" SMD_Resistor_0603 74.511,75.411 r270 bottom (schematic designator DCDCY_R6)
DCDCY_R7_1 "2M/1%" SMD_Resistor_0603 123.787,87.465 r270 bottom (schematic designator DCDCY_R7)
DCDCY_R7_2 "2M/1%" SMD_Resistor_0603 74.549,78.359 r180 bottom (schematic designator DCDCY_R7)
DCDCY_R8_1 "240k/1%" SMD_Resistor_0603 120.231,85.444 r0 bottom (schematic designator DCDCY_R8)
DCDCY_R8_2 "240k/1%" SMD_Resistor_0603 70.193,78.459 r0 bottom (schematic designator DCDCY_R8)